# Allegro board PCIe3_0_X16_V1_0-166-20240802_20240828_pcb.brd

Outline 212.8 x 111.15 mm; copper layers: TOP, GND02, ART03, GND04, ART05, GND06, POWER07, POWER08, GND09, ART10, GND11, ART12, GND13, BOTTOM. Coordinates in mm from the lower left corner of the outline.
Outline path: 0,111.15 212.8,111.15 212.8,12.75 140.8,12.75 arc(139.56,12.24) 139.05,11 139.05,9.7 arc(139.56,8.46) 140.8,7.95 144.75,7.95 144.75,5.37 143.35,2.95 132.55,2.95 132.05,3.45 132.05,7.61 arc(130.67,8.98) 129.3,7.61 129.3,0.51 128.83,0 58.61,0 58.1,0.51 58.1,7.45 arc(57.82,8.12) 57.15,8.4 arc(56.48,8.12) 56.2,7.45 56.2,0.51 55.69,0 45.51,0 45,0.51 45,10.93 arc(43.17,12.75) 41.35,10.93 41.35,4.5 33.35,4.5 33.35,12.75 15,12.75 15,4.5 0,4.5 0,111.15

## Design rules (mm)
net group BPI_FLASH_A_25: nets BPI_FLASH_A_25 N16789987
net group BPI_FLASH_A_26: nets BPI_FLASH_A_26 N16799292
net group BPI_FLASH_CLK: nets BPI_FLASH_CLK FPGA_CCLK
net group BPI_FLASH_RST_B: nets BPI_FLASH_RST_B FPGA_INIT_B
net group BPI_FLASH_WAIT: nets BPI_FLASH_WAIT N16789847
net group DIFFPAIR0: nets FPGA_SFP_TX_0_N FPGA_SFP_TX_0_P
net group DIFFPAIR1: nets FPGA_SFP_RX_0_N FPGA_SFP_RX_0_P
net group DIFFPAIR4: nets N16846869 N16846872
net group DIFFPAIR5: nets N16842391 N16842394
net group DIFFPAIR6: nets N16842471 N16842473
net group DIFFPAIR7: nets N16842537 N16842539
net group DIFFPAIR8: nets N16842669 N16842671
net group DIFFPAIR9: nets N16842735 N16842737
net group DIFFPAIR10: nets N16842801 N16842803
net group DIFFPAIR11: nets N16843395 N16843397
net group DIFFPAIR12: nets N16843329 N16843331
net group DIFFPAIR13: nets N16843263 N16843265
net group DIFFPAIR14: nets N16843197 N16843199
net group DIFFPAIR15: nets N16843131 N16843133
net group DIFFPAIR16: nets N16842867 N16842869
net group DIFFPAIR17: nets N16842933 N16842935
net group DIFFPAIR18: nets N16842603 N16842605
net group DIFFPAIR19: nets N17129760 N17129770
net group DIFFPAIR20: nets N17069675 N17069689
net group DIFFPAIR21: nets N16842999 N16843001
net group DIFFPAIR22: nets N16843065 N16843067
net group DP_N17366227: nets N17366227 N17366241
net group FPGA_DDR4_CLK_1_200M_N: nets FPGA_DDR4_CLK_1_200M_N N16916920
net group FPGA_DDR4_CLK_1_200M_P: nets FPGA_DDR4_CLK_1_200M_P N16916923
net group FPGA_DDR4_CLK_2_200M_: nets FPGA_DDR4_CLK_2_200M_N FPGA_DDR4_CLK_2_200M_P
net group FPGA_QSFP_CLK_156P25M_N: nets FPGA_QSFP_CLK_156P25M_N QSFP_CLK_156P25M_N
net group FPGA_QSFP_CLK_156P25M_P: nets FPGA_QSFP_CLK_156P25M_P QSFP_CLK_156P25M_P
net group FPGA_QSFP_RX_0_: nets FPGA_QSFP_RX_0_N FPGA_QSFP_RX_0_P
net group FPGA_QSFP_RX_1_: nets FPGA_QSFP_RX_1_N FPGA_QSFP_RX_1_P
net group FPGA_QSFP_RX_2_: nets FPGA_QSFP_RX_2_N FPGA_QSFP_RX_2_P
net group FPGA_QSFP_RX_3_: nets FPGA_QSFP_RX_3_N FPGA_QSFP_RX_3_P
net group FPGA_QSFP_TX_0_: nets FPGA_QSFP_TX_0_N FPGA_QSFP_TX_0_P
net group FPGA_QSFP_TX_1_: nets FPGA_QSFP_TX_1_N FPGA_QSFP_TX_1_P
net group FPGA_QSFP_TX_2_: nets FPGA_QSFP_TX_2_N FPGA_QSFP_TX_2_P
net group FPGA_QSFP_TX_3_: nets FPGA_QSFP_TX_3_N FPGA_QSFP_TX_3_P
net group FPGA_REFCLK1_156P25M_N: nets FPGA_REFCLK1_156P25M_N N16852112
net group FPGA_REFCLK1_156P25M_P: nets FPGA_REFCLK1_156P25M_P N16852110
net group FPGA_REFCLK2_200M_N: nets FPGA_REFCLK2_200M_N N17130342
net group FPGA_REFCLK2_200M_P: nets FPGA_REFCLK2_200M_P N17130328
net group FPGA_SFP_CLK_156P25M_N: nets FPGA_SFP_CLK_156P25M_N SFP_CLK_156P25M_N
net group FPGA_SFP_CLK_156P25M_P: nets FPGA_SFP_CLK_156P25M_P SFP_CLK_156P25M_P
net group FPGA_SFP_RX_1_: nets FPGA_SFP_RX_1_N FPGA_SFP_RX_1_P
net group FPGA_SFP_RX_2_: nets FPGA_SFP_RX_2_N FPGA_SFP_RX_2_P
net group FPGA_SFP_RX_3_: nets FPGA_SFP_RX_3_N FPGA_SFP_RX_3_P
net group FPGA_SFP_TX_1_: nets FPGA_SFP_TX_1_N FPGA_SFP_TX_1_P
net group FPGA_SFP_TX_2_: nets FPGA_SFP_TX_2_N FPGA_SFP_TX_2_P
net group FPGA_SFP_TX_3_: nets FPGA_SFP_TX_3_N FPGA_SFP_TX_3_P
net group GND: nets GND N17039283
net group N16951254: nets N16951043 N16951254
net group N17215758: nets N17215756 N17215758
net group PCIE_REFCLK_: nets PCIE_REFCLK_N PCIE_REFCLK_P
net group PCIE_RST_N: nets N16845868 PCIE_RST_N
net group PCIE_RXD_0_: nets PCIE_RXD_0_N PCIE_RXD_0_P
net group PCIE_RXD_1_: nets PCIE_RXD_1_N PCIE_RXD_1_P
net group PCIE_RXD_2_: nets PCIE_RXD_2_N PCIE_RXD_2_P
net group PCIE_RXD_3_: nets PCIE_RXD_3_N PCIE_RXD_3_P
net group PCIE_RXD_4_: nets PCIE_RXD_4_N PCIE_RXD_4_P
net group PCIE_RXD_5_: nets PCIE_RXD_5_N PCIE_RXD_5_P
net group PCIE_RXD_6_: nets PCIE_RXD_6_N PCIE_RXD_6_P
net group PCIE_RXD_7_: nets PCIE_RXD_7_N PCIE_RXD_7_P
net group PCIE_RXD_8_: nets PCIE_RXD_8_N PCIE_RXD_8_P
net group PCIE_RXD_9_: nets PCIE_RXD_9_N PCIE_RXD_9_P
net group PCIE_RXD_10_: nets PCIE_RXD_10_N PCIE_RXD_10_P
net group PCIE_RXD_11_: nets PCIE_RXD_11_N PCIE_RXD_11_P
net group PCIE_RXD_12_: nets PCIE_RXD_12_N PCIE_RXD_12_P
net group PCIE_RXD_13_: nets PCIE_RXD_13_N PCIE_RXD_13_P
net group PCIE_RXD_14_: nets PCIE_RXD_14_N PCIE_RXD_14_P
net group PCIE_RXD_15_: nets PCIE_RXD_15_N PCIE_RXD_15_P
net group PCIE_TXD_0_: nets PCIE_TXD_0_N PCIE_TXD_0_P
net group PCIE_TXD_1_: nets PCIE_TXD_1_N PCIE_TXD_1_P
net group PCIE_TXD_2_: nets PCIE_TXD_2_N PCIE_TXD_2_P
net group PCIE_TXD_3_: nets PCIE_TXD_3_N PCIE_TXD_3_P
net group PCIE_TXD_4_: nets PCIE_TXD_4_N PCIE_TXD_4_P
net group PCIE_TXD_5_: nets PCIE_TXD_5_N PCIE_TXD_5_P
net group PCIE_TXD_6_: nets PCIE_TXD_6_N PCIE_TXD_6_P
net group PCIE_TXD_7_: nets PCIE_TXD_7_N PCIE_TXD_7_P
net group PCIE_TXD_8_: nets PCIE_TXD_8_N PCIE_TXD_8_P
net group PCIE_TXD_9_: nets PCIE_TXD_9_N PCIE_TXD_9_P
net group PCIE_TXD_10_: nets PCIE_TXD_10_N PCIE_TXD_10_P
net group PCIE_TXD_11_: nets PCIE_TXD_11_N PCIE_TXD_11_P
net group PCIE_TXD_12_: nets PCIE_TXD_12_N PCIE_TXD_12_P
net group PCIE_TXD_13_: nets PCIE_TXD_13_N PCIE_TXD_13_P
net group PCIE_TXD_14_: nets PCIE_TXD_14_N PCIE_TXD_14_P
net group PCIE_TXD_15_: nets PCIE_TXD_15_N PCIE_TXD_15_P
net group PCIE_WAKE_N: nets N17114545 PCIE_WAKE_N
net group POWER: nets VCC1V8 VCC3V3
net group REFCLK_LVDS_200M_: nets REFCLK_LVDS_200M_N REFCLK_LVDS_200M_P
net group SMA_REFCLK_LVCMOS1V8: nets N17243696 SMA_REFCLK_LVCMOS1V8
net group VCC12V_FAN_EN: nets N17188206 VCC12V_FAN_EN
net group VCC12V_FAN_FG: nets N17188811 VCC12V_FAN_FG
net group VCC12V_FAN_PWM: nets N17188545 VCC12V_FAN_PWM
net group VCXO_156P25M_: nets VCXO_156P25M_N VCXO_156P25M_P
net group 12V: nets N16934040 N16938331 N17028921 N17033354 N17035498 VCC12V_IN
net group CLK: nets FPGA_DDR4_1_RESET_N FPGA_DDR4_2_RESET_N FPGA_PCIE_RST_N FPGA_PCIE_SMCLK FPGA_QSFP_IIC_SCL FPGA_QSFP_IIC_SCL_1V8 FPGA_QSFP_RESETL FPGA_QSFP_RESETL_1V8 FPGA_SFP0_IIC_SCL FPGA_SFP0_IIC_SCL_1V8 FPGA_SFP1_IIC_SCL FPGA_SFP1_IIC_SCL_1V8 FPGA_SFP2_IIC_SCL FPGA_SFP2_IIC_SCL_1V8 FPGA_SFP3_IIC_SCL FPGA_SFP3_IIC_SCL_1V8 FPGA_TCK PCIE_SMCLK
net group DDR4_1_POWER_GOOD: nets DDR4_1_POWER_GOOD DDR4_2_POWER_GOOD DDR_POWER_GOOD
net group FPGA_DDR4_1_A: nets FPGA_DDR4_1_ALERT_N
net group FPGA_DDR4_2_A: nets FPGA_DDR4_2_ALERT_N
net group FPGA_EMCCLK: nets FPGA_EMCCLK N17215610 N17215747
net group PCIE_PRSNT_N: nets PCIE_PRSNT_N PCIE_WIDTH_X8 PCIE_WIDTH_X16

## Placement (name value [footprint] x y rotation side)
C1  0.1UF  [C0402]  108.14 63.21 90 bottom
C2  0.1UF  [C0402]  108.14 58.81 270 bottom
C3  0.1UF  [C0402]  38.53 104.31 270 top
C4  0.1UF  [C0402]  117.15 92.63 180 top
C5  0.1UF  [C0402_BGA]  113.72 99.85 180 bottom
C6  0.1UF  [C0402_BGA]  116.96 98.94 0 bottom
C7  0.1UF  [C0402_BGA]  116.43 102.48 90 bottom
C8  0.1UF  [C0402_BGA]  112.98 95.96 180 bottom
C9  47UF  [C1206]  117.59 106.38 90 bottom
C10  0.1UF  [C0402_BGA]  113.85 108.92 0 bottom
C11  47UF  [C1206]  114.27 107.16 0 bottom
C12  0.01UF  [C0402_BGA]  100.33 49.76 0 bottom
C13  0.01UF  [C0402_BGA]  100.3 48.74 0 bottom
C14  0.01UF  [C0402_BGA]  104.32 84.43 270 bottom
C15  0.01UF  [C0402_BGA]  103.32 84.43 270 bottom
C16  0.1UF  [C0402_BGA]  93.89 42.11 270 bottom
C17  0.1UF  [C0402_BGA]  92.87 42.11 270 bottom
C18  20pF  [C0402]  63.37 106.82 90 top
C19  0.1UF  [C0402_BGA]  95.35 57.73 0 bottom
C20  0.1UF  [C0402_BGA]  95.35 58.73 0 bottom
C21  100UF  [C1206]  114.18 89.36 180 bottom
C22  100UF  [C1206]  129.78 72.82 0 bottom
C23  100UF  [C1206]  165.61 79.42 0 top
C24  100UF  [C1206]  129.78 67.74 0 bottom
C25  47UF  [C1206]  110.6 95.45 270 bottom
C26  47UF  [C1206]  108.32 95.45 270 bottom
C27  100UF  [C1206]  165.55 79.49 0 bottom
C28  47UF  [C1206]  114.18 84.61 180 bottom
C29  10UF  [C0805]  124.33 81.37 270 bottom
C30  10UF  [C0805]  119.31 70.55 90 bottom
C31  10UF  [C0805]  121.08 68.22 0 bottom
C32  10UF  [C0805]  117.93 68.22 180 bottom
C33  10UF  [C0805]  124.32 70.98 270 bottom
C34  10UF  [C0805]  121.72 70.23 180 bottom
C35  100UF  [C1206]  114.18 87.02 180 bottom
C36  47UF  [C1206]  129.78 70.03 0 bottom
C37  10UF  [C0805]  105.05 64.23 180 bottom
C38  47UF  [C1206]  108.96 86.21 0 bottom
C39  10UF  [C0805]  108.31 72.69 90 bottom
C40  0.1UF  [C0402_BGA]  112.35 61.73 180 bottom
C41  0.1UF  [C0402_BGA]  105.35 57.73 180 bottom
C42  0.1UF  [C0402_BGA]  112.35 54.73 180 bottom
C43  0.1UF  [C0402_BGA]  106.35 62.73 180 bottom
C44  0.1UF  [C0402_BGA]  105.35 55.73 180 bottom
C45  47UF  [C1206]  108.96 88.54 0 bottom
C46  10UF  [C0805]  107.1 91.82 0 bottom
C47  1UF  [C0603]  108.24 69.48 270 bottom
C48  0.1UF  [C0402_BGA]  112.29 71.73 0 bottom
C49  0.1UF  [C0402_BGA]  106.35 70.73 180 bottom
C50  0.1UF  [C0402_BGA]  105.35 73.73 180 bottom
C51  0.1UF  [C0402_BGA]  112.22 73.73 0 bottom
C52  47UF  [C1206]  129.65 76.12 90 bottom
C53  10UF  [C0805]  124.19 67.24 180 bottom
C54  47UF  [C1206]  130.55 58.22 0 bottom
C55  47UF  [C1206]  86.77 68.48 180 bottom
C56  10UF  [C0805]  115.32 67.02 90 bottom
C57  10UF  [C0805]  122.31 81.37 270 bottom
C58  0.1UF  [C0402_BGA]  112.35 57.73 180 bottom
C59  0.1UF  [C0402_BGA]  105.35 59.73 180 bottom
C60  0.1UF  [C0402_BGA]  112.42 65.73 180 bottom
C61  0.1UF  [C0402_BGA]  113.35 52.73 0 bottom
C62  10UF  [C0805]  130.24 62.15 0 bottom
C63  10UF  [C0805]  130.24 60.32 0 bottom
C64  10UF  [C0805]  130.38 56.16 0 bottom
C65  10UF  [C0805]  94 73.23 180 bottom
C66  10UF  [C0805]  129.47 52.31 270 bottom
C67  10UF  [C0805]  88.2 71.84 90 bottom
C68  0.1UF  [C0402_BGA]  99.82 82.26 270 bottom
C69  4.7UF  [C0402_BGA]  98.82 77.13 270 bottom
C70  4.7UF  [C0402_BGA]  100.35 50.8 180 bottom
C71  4.7UF  [C0402_BGA]  113.82 48.26 270 bottom
C72  4.7UF  [C0402_BGA]  104.35 76.73 180 bottom
C73  0.1UF  [C0402_BGA]  97.82 50.2 90 bottom
C74  0.1UF  [C0402_BGA]  117.82 77.2 270 bottom
C75  0.1UF  [C0402_BGA]  116.82 50.26 270 bottom
C76  0.1UF  [C0402_BGA]  118.82 77.2 270 bottom
C77  4.7UF  [C0402_BGA]  98.82 47.26 270 bottom
C78  4.7UF  [C0402_BGA]  118.82 50.26 90 bottom
C79  4.7UF  [C0402_BGA]  104.82 48.26 270 bottom
C80  4.7UF  [C0402_BGA]  111.82 79.13 270 bottom
C81  4.7UF  [C0402_BGA]  115.82 50.2 270 bottom
C82  4.7UF  [C0402_BGA]  111.82 49.26 270 bottom
C83  4.7UF  [C0402_BGA]  117.35 75.73 0 bottom
C84  4.7UF  [C0402_BGA]  101.82 49.26 270 bottom
C85  0.1UF  [C0402_BGA]  109.82 47.26 270 bottom
C86  0.1UF  [C0402_BGA]  120.82 80.13 90 bottom
C87  0.1UF  [C0402_BGA]  98.82 79.13 90 bottom
C88  0.1UF  [C0402_BGA]  92.82 79.2 90 bottom
C89  0.1UF  [C0402_BGA]  102.82 76.2 270 bottom
C90  0.1UF  [C0402_BGA]  105.82 77.26 270 bottom
C91  0.1UF  [C0402_BGA]  111.82 77.2 90 bottom
C92  0.1UF  [C0402_BGA]  99.35 74.73 180 bottom
C93  0.1UF  [C0402]  71.74 42.85 180 bottom
C94  0.1UF  [C0402]  71.74 55.42 180 bottom
C95  4.7UF  [C0402]  81.39 42.85 0 bottom
C96  0.1UF  [C0402]  69.84 34.34 180 bottom
C97  4.7UF  [C0402]  81.39 55.42 0 bottom
C98  0.1UF  [C0402]  70.34 46.91 0 bottom
C99  47UF  [C0805]  83.05 35.48 90 bottom
C100  22UF  [C0603]  82.79 41.45 270 bottom
C101  4.7UF  [C0402]  77.33 42.85 0 bottom
C102  4.7UF  [C0402]  75.55 42.85 0 bottom
C103  0.47UF  [C0402]  80.88 34.34 180 bottom
C104  0.47UF  [C0402]  76.69 34.34 180 bottom
C105  0.47UF  [C0402]  73.52 42.85 0 bottom
C106  0.47UF  [C0402]  75.53 35.52 270 bottom
C107  68nF  [C0402]  75.54 48.03 270 bottom
C108  68nF  [C0402]  74.28 34.34 180 bottom
C109  68nF  [C0402]  69.55 41.44 180 bottom
C110  68nF  [C0402]  79.11 42.85 180 bottom
C111  47UF  [C0805]  82.99 48.06 90 bottom
C112  22UF  [C0603]  82.79 54.03 270 bottom
C113  4.7UF  [C0402]  75.55 55.42 0 bottom
C114  4.7UF  [C0402]  69.45 55.42 180 bottom
C115  0.47UF  [C0402]  76.69 46.91 180 bottom
C116  0.47UF  [C0402]  74.28 46.91 180 bottom
C117  0.47UF  [C0402]  79.11 55.42 180 bottom
C118  0.47UF  [C0402]  75.53 53.95 90 bottom
C119  68nF  [C0402]  77.33 55.42 0 bottom
C120  68nF  [C0402]  80.88 46.91 180 bottom
C121  68nF  [C0402]  75.53 41.38 90 bottom
C122  68nF  [C0402]  73.52 55.42 0 bottom
C123  0.1UF  [C0402]  71.74 68 180 bottom
C124  0.1UF  [C0402]  71.74 80.57 180 bottom
C125  4.7UF  [C0402]  70.34 59.49 0 bottom
C126  0.1UF  [C0402]  81.39 68 0 bottom
C127  4.7UF  [C0402]  81.39 80.57 0 bottom
C128  0.1UF  [C0402]  70.34 72.06 0 bottom
C129  47UF  [C0805]  83.05 60.63 90 bottom
C130  22UF  [C0603]  82.79 66.6 270 bottom
C131  4.7UF  [C0402]  69.45 68 180 bottom
C132  4.7UF  [C0402]  75.55 68 0 bottom
C133  0.47UF  [C0402]  77.33 68 0 bottom
C134  0.47UF  [C0402]  74.28 59.49 180 bottom
C135  0.47UF  [C0402]  75.52 60.61 270 bottom
C136  0.47UF  [C0402]  79.11 68 180 bottom
C137  68nF  [C0402]  73.52 68 0 bottom
C138  68nF  [C0402]  75.53 66.52 90 bottom
C139  68nF  [C0402]  76.69 59.49 180 bottom
C140  68nF  [C0402]  80.88 59.49 180 bottom
C141  47UF  [C0805]  83.05 73.2 90 bottom
C142  22UF  [C0603]  82.79 79.17 270 bottom
C143  4.7UF  [C0402]  79.11 80.57 180 bottom
C144  4.7UF  [C0402]  77.33 80.57 0 bottom
C145  0.47UF  [C0402]  73.52 80.57 0 bottom
C146  0.47UF  [C0402]  75.52 73.19 270 bottom
C147  0.47UF  [C0402]  80.88 72.06 180 bottom
C148  0.47UF  [C0402]  76.69 72.06 180 bottom
C149  68nF  [C0402]  74.28 72.06 180 bottom
C150  68nF  [C0402]  75.53 79.1 90 bottom
C151  68nF  [C0402]  69.45 80.57 180 bottom
C152  68nF  [C0402]  75.55 80.57 0 bottom
C153  0.1UF  [C0402]  71.79 93.14 180 bottom
C154  0.01UF  [C0402]  75.7 37.96 90 bottom
C155  4.7UF  [C0402]  81.39 93.14 0 bottom
C156  0.1UF  [C0402]  70.34 84.63 0 bottom
C157  4.7UF  [C0402]  64.12 35.74 90 top
C158  4.7UF  [C0402]  64.12 40.61 90 top
C159  4.7UF  [C0402]  77.07 31.67 90 top
C160  4.7UF  [C0402]  64.12 38.15 270 top
C161  0.1UF  [C0402]  64.12 43.1 270 top
C162  0.1UF  [C0402]  78.09 31.67 90 top
C163  0.1UF  [C0402]  78.09 31.67 90 bottom
C164  0.1UF  [C0402]  68.82 31.67 90 top
C165  0.1UF  [C0402]  67.8 31.67 90 top
C166  0.1UF  [C0402]  67.8 31.67 90 bottom
C167  0.1UF  [C0402]  77.07 31.67 90 bottom
C168  0.1UF  [C0402]  68.82 31.67 90 bottom
C169  0.1UF  [C0402]  64.12 33.38 270 top
C170  47UF  [C0805]  83.05 85.78 90 bottom
C171  22UF  [C0603]  82.79 91.74 270 bottom
C172  4.7UF  [C0402]  75.52 85.89 270 bottom
C173  4.7UF  [C0402]  77.33 93.14 0 bottom
C174  0.47UF  [C0402]  75.55 93.14 0 bottom
C175  0.47UF  [C0402]  79.11 93.14 180 bottom
C176  0.47UF  [C0402]  73.52 93.14 0 bottom
C177  0.47UF  [C0402]  69.53 91.69 180 bottom
C178  68nF  [C0402]  80.88 84.63 180 bottom
C179  68nF  [C0402]  76.69 84.63 180 bottom
C180  68nF  [C0402]  75.53 91.67 90 bottom
C181  68nF  [C0402]  74.28 84.63 180 bottom
C182  0.1UF  [C0402]  145.9 84.61 0 bottom
C183  0.1UF  [C0402]  145.9 72.03 0 bottom
C184  4.7UF  [C0402]  136.25 84.61 180 bottom
C185  0.1UF  [C0402]  147.3 93.12 180 bottom
C186  4.7UF  [C0402]  136.25 72.03 180 bottom
C187  0.1UF  [C0402]  147.3 80.54 180 bottom
C188  47UF  [C0805]  134.6 91.97 270 bottom
C189  22UF  [C0603]  134.85 86 90 bottom
C190  4.7UF  [C0402]  144.12 84.61 180 bottom
C191  4.7UF  [C0402]  142.11 91.94 90 bottom
C192  0.47UF  [C0402]  140.95 93.12 0 bottom
C193  0.47UF  [C0402]  136.76 93.12 0 bottom
C194  0.47UF  [C0402]  148.06 86 0 bottom
C195  0.47UF  [C0402]  142.11 86.08 270 bottom
C196  68nF  [C0402]  140.31 84.61 180 bottom
C197  68nF  [C0402]  138.53 84.61 0 bottom
C198  68nF  [C0402]  142.09 84.61 180 bottom
C199  68nF  [C0402]  143.36 93.12 0 bottom
C200  47UF  [C0805]  134.6 79.4 270 bottom
C201  22UF  [C0603]  134.85 73.43 90 bottom
C202  4.7UF  [C0402]  142.09 72.03 180 bottom
C203  4.7UF  [C0402]  142.11 73.51 270 bottom
C204  0.47UF  [C0402]  143.36 80.54 0 bottom
C205  0.47UF  [C0402]  148.19 72.03 0 bottom
C206  0.47UF  [C0402]  138.53 72.03 0 bottom
C207  0.47UF  [C0402]  144.12 72.03 180 bottom
C208  68nF  [C0402]  140.31 72.03 180 bottom
C209  68nF  [C0402]  136.76 80.54 0 bottom
C210  68nF  [C0402]  140.95 80.54 0 bottom
C211  68nF  [C0402]  142.12 79.29 90 bottom
C212  0.1UF  [C0402]  145.9 59.46 0 bottom
C213  0.1UF  [C0402]  145.9 46.89 0 bottom
C214  4.7UF  [C0402]  136.25 59.46 180 bottom
C215  0.1UF  [C0402]  147.3 67.97 180 bottom
C216  4.7UF  [C0402]  147.3 55.4 180 bottom
C217  0.1UF  [C0402]  136.25 46.89 180 bottom
C218  47UF  [C0805]  134.6 66.83 270 bottom
C219  22UF  [C0603]  134.85 60.86 90 bottom
C220  4.7UF  [C0402]  142.09 59.46 180 bottom
C221  4.7UF  [C0402]  143.36 67.97 0 bottom
C222  0.47UF  [C0402]  140.31 59.46 180 bottom
C223  0.47UF  [C0402]  142.11 60.93 270 bottom
C224  0.47UF  [C0402]  136.76 67.97 0 bottom
C225  0.47UF  [C0402]  140.95 67.97 0 bottom
C226  68nF  [C0402]  142.12 66.72 90 bottom
C227  68nF  [C0402]  138.53 59.46 0 bottom
C228  68nF  [C0402]  148.19 59.46 0 bottom
C229  68nF  [C0402]  144.12 59.46 180 bottom
C230  47UF  [C0805]  134.6 54.25 270 bottom
C231  22UF  [C0603]  134.85 48.29 90 bottom
C232  4.7UF  [C0402]  142.09 46.89 180 bottom
C233  4.7UF  [C0402]  144.12 46.89 180 bottom
C234  0.47UF  [C0402]  136.76 55.4 0 bottom
C235  0.47UF  [C0402]  142.11 48.36 270 bottom
C236  0.47UF  [C0402]  140.95 55.4 0 bottom
C237  0.47UF  [C0402]  143.36 55.4 0 bottom
C238  68nF  [C0402]  142.12 54.27 90 bottom
C239  68nF  [C0402]  148.19 46.89 0 bottom
C240  68nF  [C0402]  140.31 46.89 180 bottom
C241  68nF  [C0402]  138.53 46.89 0 bottom
C242  0.1UF  [C0402]  145.9 34.32 0 bottom
C243  0.01UF  [C0402]  141.59 88.72 0 bottom
C244  4.7UF  [C0402]  136.81 34.32 0 bottom
C245  0.1UF  [C0402]  147.3 42.82 180 bottom
C246  4.7UF  [C0402]  154.04 92.51 270 bottom
C247  4.7UF  [C0402]  154.04 94.41 90 bottom
C248  4.7UF  [C0402]  154.04 92.51 270 top
C249  4.7UF  [C0402]  154.04 96.7 270 top
C250  0.1UF  [C0402]  154.04 83.62 270 top
C251  0.1UF  [C0402]  154.04 94.41 90 top
C252  0.1UF  [C0402]  154.04 90.09 90 bottom
C253  0.1UF  [C0402]  154.04 85.65 90 bottom
C254  0.1UF  [C0402]  154.04 90.09 90 top
C255  0.1UF  [C0402]  154.04 85.65 90 top
C256  0.1UF  [C0402]  154.04 88.06 270 top
C257  0.1UF  [C0402]  154.04 88.06 270 bottom
C258  0.1UF  [C0402]  154.04 83.62 270 bottom
C259  47UF  [C0805]  134.6 41.68 270 bottom
C260  22UF  [C0603]  134.85 35.71 90 bottom
C261  4.7UF  [C0402]  136.76 42.82 0 bottom
C262  4.7UF  [C0402]  138.53 34.32 0 bottom
C263  0.47UF  [C0402]  143.36 42.82 0 bottom
C264  0.47UF  [C0402]  142.12 41.57 90 bottom
C265  0.47UF  [C0402]  148.19 34.32 0 bottom
C266  0.47UF  [C0402]  140.31 34.32 180 bottom
C267  68nF  [C0402]  142.09 34.32 180 bottom
C268  68nF  [C0402]  144.12 34.32 180 bottom
C269  68nF  [C0402]  140.95 42.82 0 bottom
C270  68nF  [C0402]  142.11 35.79 270 bottom
C271  22UF  [C1206]  40.8 94.39 90 bottom
C272  0.1UF  [C0402]  45.21 89.48 0 bottom
C273  22UF  [C1206]  40.8 85.39 270 bottom
C274  22UF  [C1206]  37.47 91.15 0 bottom
C275  0.1UF  [C0402]  38.13 85.08 0 bottom
C276  0.1UF  [C0402]  47.14 89.88 180 bottom
C277  22UF  [C1206]  40.8 89.82 90 bottom
C278  0.1UF  [C0402]  47.14 90.93 180 bottom
C279  22UF  [C1206]  47.23 69.27 270 top
C280  0.1UF  [C0402]  35.96 69.38 270 bottom
C281  22UF  [C1206]  50.64 75.19 180 top
C282  0.1UF  [C0402]  50.54 69.11 180 top
C283  22UF  [C1206]  47.23 55.02 270 top
C284  0.1UF  [C0402]  35.96 55.13 270 bottom
C285  22UF  [C1206]  50.64 60.94 180 top
C286  22UF  [C1206]  47.23 73.87 90 top
C287  0.1UF  [C0402]  35.96 71.48 90 bottom
C288  0.1UF  [C0402]  50.54 54.86 180 top
C289  22UF  [C1206]  47.23 59.62 90 top
C290  0.1UF  [C0402]  35.96 57.23 90 bottom
C291  22UF  [C1206]  47.23 40.77 270 top
C292  0.1UF  [C0402]  35.96 40.88 270 bottom
C293  22UF  [C1206]  50.64 46.69 180 top
C294  0.1UF  [C0402]  50.54 40.61 180 top
C295  22UF  [C1206]  47.23 45.37 90 top
C296  0.1UF  [C0402]  35.96 42.98 90 bottom
C297  22UF  [C1206]  47.23 26.52 270 top
C298  0.1UF  [C0402]  35.96 26.63 270 bottom
C299  22UF  [C1206]  50.64 32.44 180 top
C300  0.1UF  [C0402]  50.54 26.36 180 top
C301  22UF  [C1206]  47.23 31.12 90 top
C302  0.1UF  [C0402]  35.96 28.73 90 bottom
C303  0.1UF  [C0402]  63.28 93.85 0 top
C304  0.1UF  [C0402]  57.86 88.56 90 bottom
C305  0.1UF  [C0402]  59.54 66.73 180 top
C306  0.1UF  [C0402]  56.16 60.71 90 bottom
C307  0.1UF  [C0402]  59.54 54.53 180 top
C308  0.1UF  [C0402]  56.16 48.52 90 bottom
C309  0.1UF  [C0402]  59.54 40.28 180 top
C310  0.1UF  [C0402]  55.19 33.32 270 bottom
C312  22UF  [C1206]  51.41 16.89 90 top
C313  10UF  [C1206]  47.37 16.79 90 bottom
C314  0.1UF  [C0402]  50.19 16.16 90 bottom
C315  0.1UF  [C0402]  53.24 16.16 90 bottom
C316  0.1UF  [C0402]  49.17 16.16 90 bottom
C317  0.1UF  [C0402]  51.21 16.16 90 bottom
C318  0.1UF  [C0402]  52.22 16.16 90 bottom
C319  0.01UF  [C0402]  59.63 10.99 90 bottom
C320  0.01UF  [C0402]  60.65 10.99 90 bottom
C321  0.22UF  [C0402]  62.63 10.99 270 bottom
C322  0.22UF  [C0402]  63.65 10.99 270 bottom
C323  0.22UF  [C0402]  67.63 10.99 270 bottom
C324  0.22UF  [C0402]  68.65 10.99 270 bottom
C325  0.22UF  [C0402]  71.63 10.99 270 bottom
C326  0.22UF  [C0402]  72.65 10.99 270 bottom
C327  0.22UF  [C0402]  75.63 10.99 270 bottom
C328  0.22UF  [C0402]  76.65 10.99 270 bottom
C329  0.1UF  [C0402]  58.72 19.9 270 top
C330  0.1UF  [C0402]  51.99 18.72 180 bottom
C331  0.22UF  [C0402]  81.63 10.99 270 bottom
C332  0.22UF  [C0402]  82.65 10.99 270 bottom
C333  0.22UF  [C0402]  85.63 10.99 270 bottom
C334  0.22UF  [C0402]  86.65 10.99 270 bottom
C335  0.22UF  [C0402]  89.63 10.99 270 bottom
C336  0.22UF  [C0402]  90.65 10.99 270 bottom
C337  0.22UF  [C0402]  93.63 10.99 270 bottom
C338  0.22UF  [C0402]  94.65 10.99 270 bottom
C339  0.22UF  [C0402]  98.63 10.99 270 bottom
C340  0.22UF  [C0402]  99.65 10.99 270 bottom
C341  0.1UF  [C0402]  58.72 23.84 270 top
C342  0.1UF  [C0402]  51.82 23.04 270 top
C343  0.22UF  [C0402]  102.63 10.99 270 bottom
C344  0.22UF  [C0402]  103.65 10.99 270 bottom
C345  0.22UF  [C0402]  106.63 10.99 270 bottom
C346  0.22UF  [C0402]  107.65 10.99 270 bottom
C347  0.22UF  [C0402]  110.63 10.99 270 bottom
C348  0.22UF  [C0402]  111.65 10.99 270 bottom
C349  0.22UF  [C0402]  114.63 10.99 270 bottom
C350  0.22UF  [C0402]  115.65 10.99 270 bottom
C351  0.22UF  [C0402]  118.63 10.99 270 bottom
C352  0.22UF  [C0402]  119.65 10.99 270 bottom
C353  0.22UF  [C0402]  122.63 10.99 270 bottom
C354  0.22UF  [C0402]  123.65 10.99 270 bottom
C355  0.22UF  [C0402]  126.63 10.99 270 bottom
C356  0.22UF  [C0402]  127.65 10.99 270 bottom
C357  0.1UF  [C0402]  94.17 105.73 90 top
C358  1UF  [C0603]  86.02 105.16 270 top
C359  10UF  [C0805]  88.31 104.01 180 top
C360  0.1UF  [C0402]  88.89 102.51 0 top
C361  0.1UF  [C0402]  88.89 101.5 0 top
C362  0.1UF  [C0402]  88.89 100.48 0 top
C363  0.1UF  [C0402]  88.89 97.43 0 top
C364  0.1UF  [C0402]  105.6 105.73 90 top
C365  1UF  [C0603]  97.45 105.16 270 top
C366  10UF  [C0805]  99.74 104.01 180 top
C367  0.1UF  [C0402]  100.32 100.48 0 top
C368  0.1UF  [C0402]  100.32 101.5 0 top
C369  0.1UF  [C0402]  100.32 102.51 0 top
C370  0.1UF  [C0402_BGA]  128.29 63.73 180 bottom
C371  0.1UF  [C0402_BGA]  128.29 64.73 180 bottom
C372  0.1UF  [C0402_BGA]  96.4 87.5 270 bottom
C373  0.1UF  [C0402_BGA]  95.39 87.5 270 bottom
C374  0.1UF  [C0402]  100.32 97.43 0 top
C375  1UF  [C0603]  181.87 84.79 270 bottom
C376  0.1UF  [C0402]  183.1 94.13 270 top
C377  0.1UF  [C0402]  176.76 82.29 270 top
C378  22UF  [C1206]  183.41 81.91 0 top
C379  22UF  [C1206]  183.41 79.5 0 bottom
C380  22UF  [C1206]  183.41 79.5 0 top
C381  22UF  [C1206]  183.41 81.91 0 bottom
C382  1000PF  [C0402]  178.94 82.68 180 top
C383  1000PF  [C0402]  178.94 83.69 180 top
C384  4.7UF  [C0805]  178.85 82.93 180 bottom
C385  0.1UF_DNP  [C0402]  183.1 97.85 270 top
C386  0.1UF  [C0402]  176.76 40.76 270 top
C387  22UF  [C1206]  183.41 40.63 0 bottom
C388  22UF  [C1206]  183.41 38.22 0 top
C389  22UF  [C1206]  183.41 40.63 0 top
C390  22UF  [C1206]  183.41 38.22 0 bottom
C391  1UF  [C0603]  178.85 41.15 180 top
C392  1UF  [C0603]  181.87 43.26 90 bottom
C393  0.1UF  [C0402]  183.1 52.6 270 top
C394  0.1UF_DNP  [C0402]  185.14 52.6 270 top
C395  0.1UF  [C0402]  192.63 43.5 180 top
C396  22UF  [C1206]  192.5 36.86 270 bottom
C397  22UF  [C1206]  192.5 36.86 270 top
C398  22UF  [C1206]  190.09 36.86 270 bottom
C399  22UF  [C1206]  190.09 36.86 270 top
C400  1UF  [C0603]  193.02 41.42 90 top
C401  1UF  [C0603]  195.13 38.4 0 bottom
C402  0.1UF  [C0402]  204.47 37.17 180 top
C403  0.1UF_DNP  [C0402]  204.47 35.13 180 top
C404  0.1UF  [C0402]  176.76 21.71 270 top